# Altium PCB stencil V1.0.PcbDoc (part 3 of 5)
Units mm, origin at the board's own origin, x right, y up, seen from the top; angles counter-clockwise.
Board outline 220 x 90 mm, 2 copper layers (Top Layer, Bottom Layer); 265 components, 68 nets, 1316 pads, 556 vias.
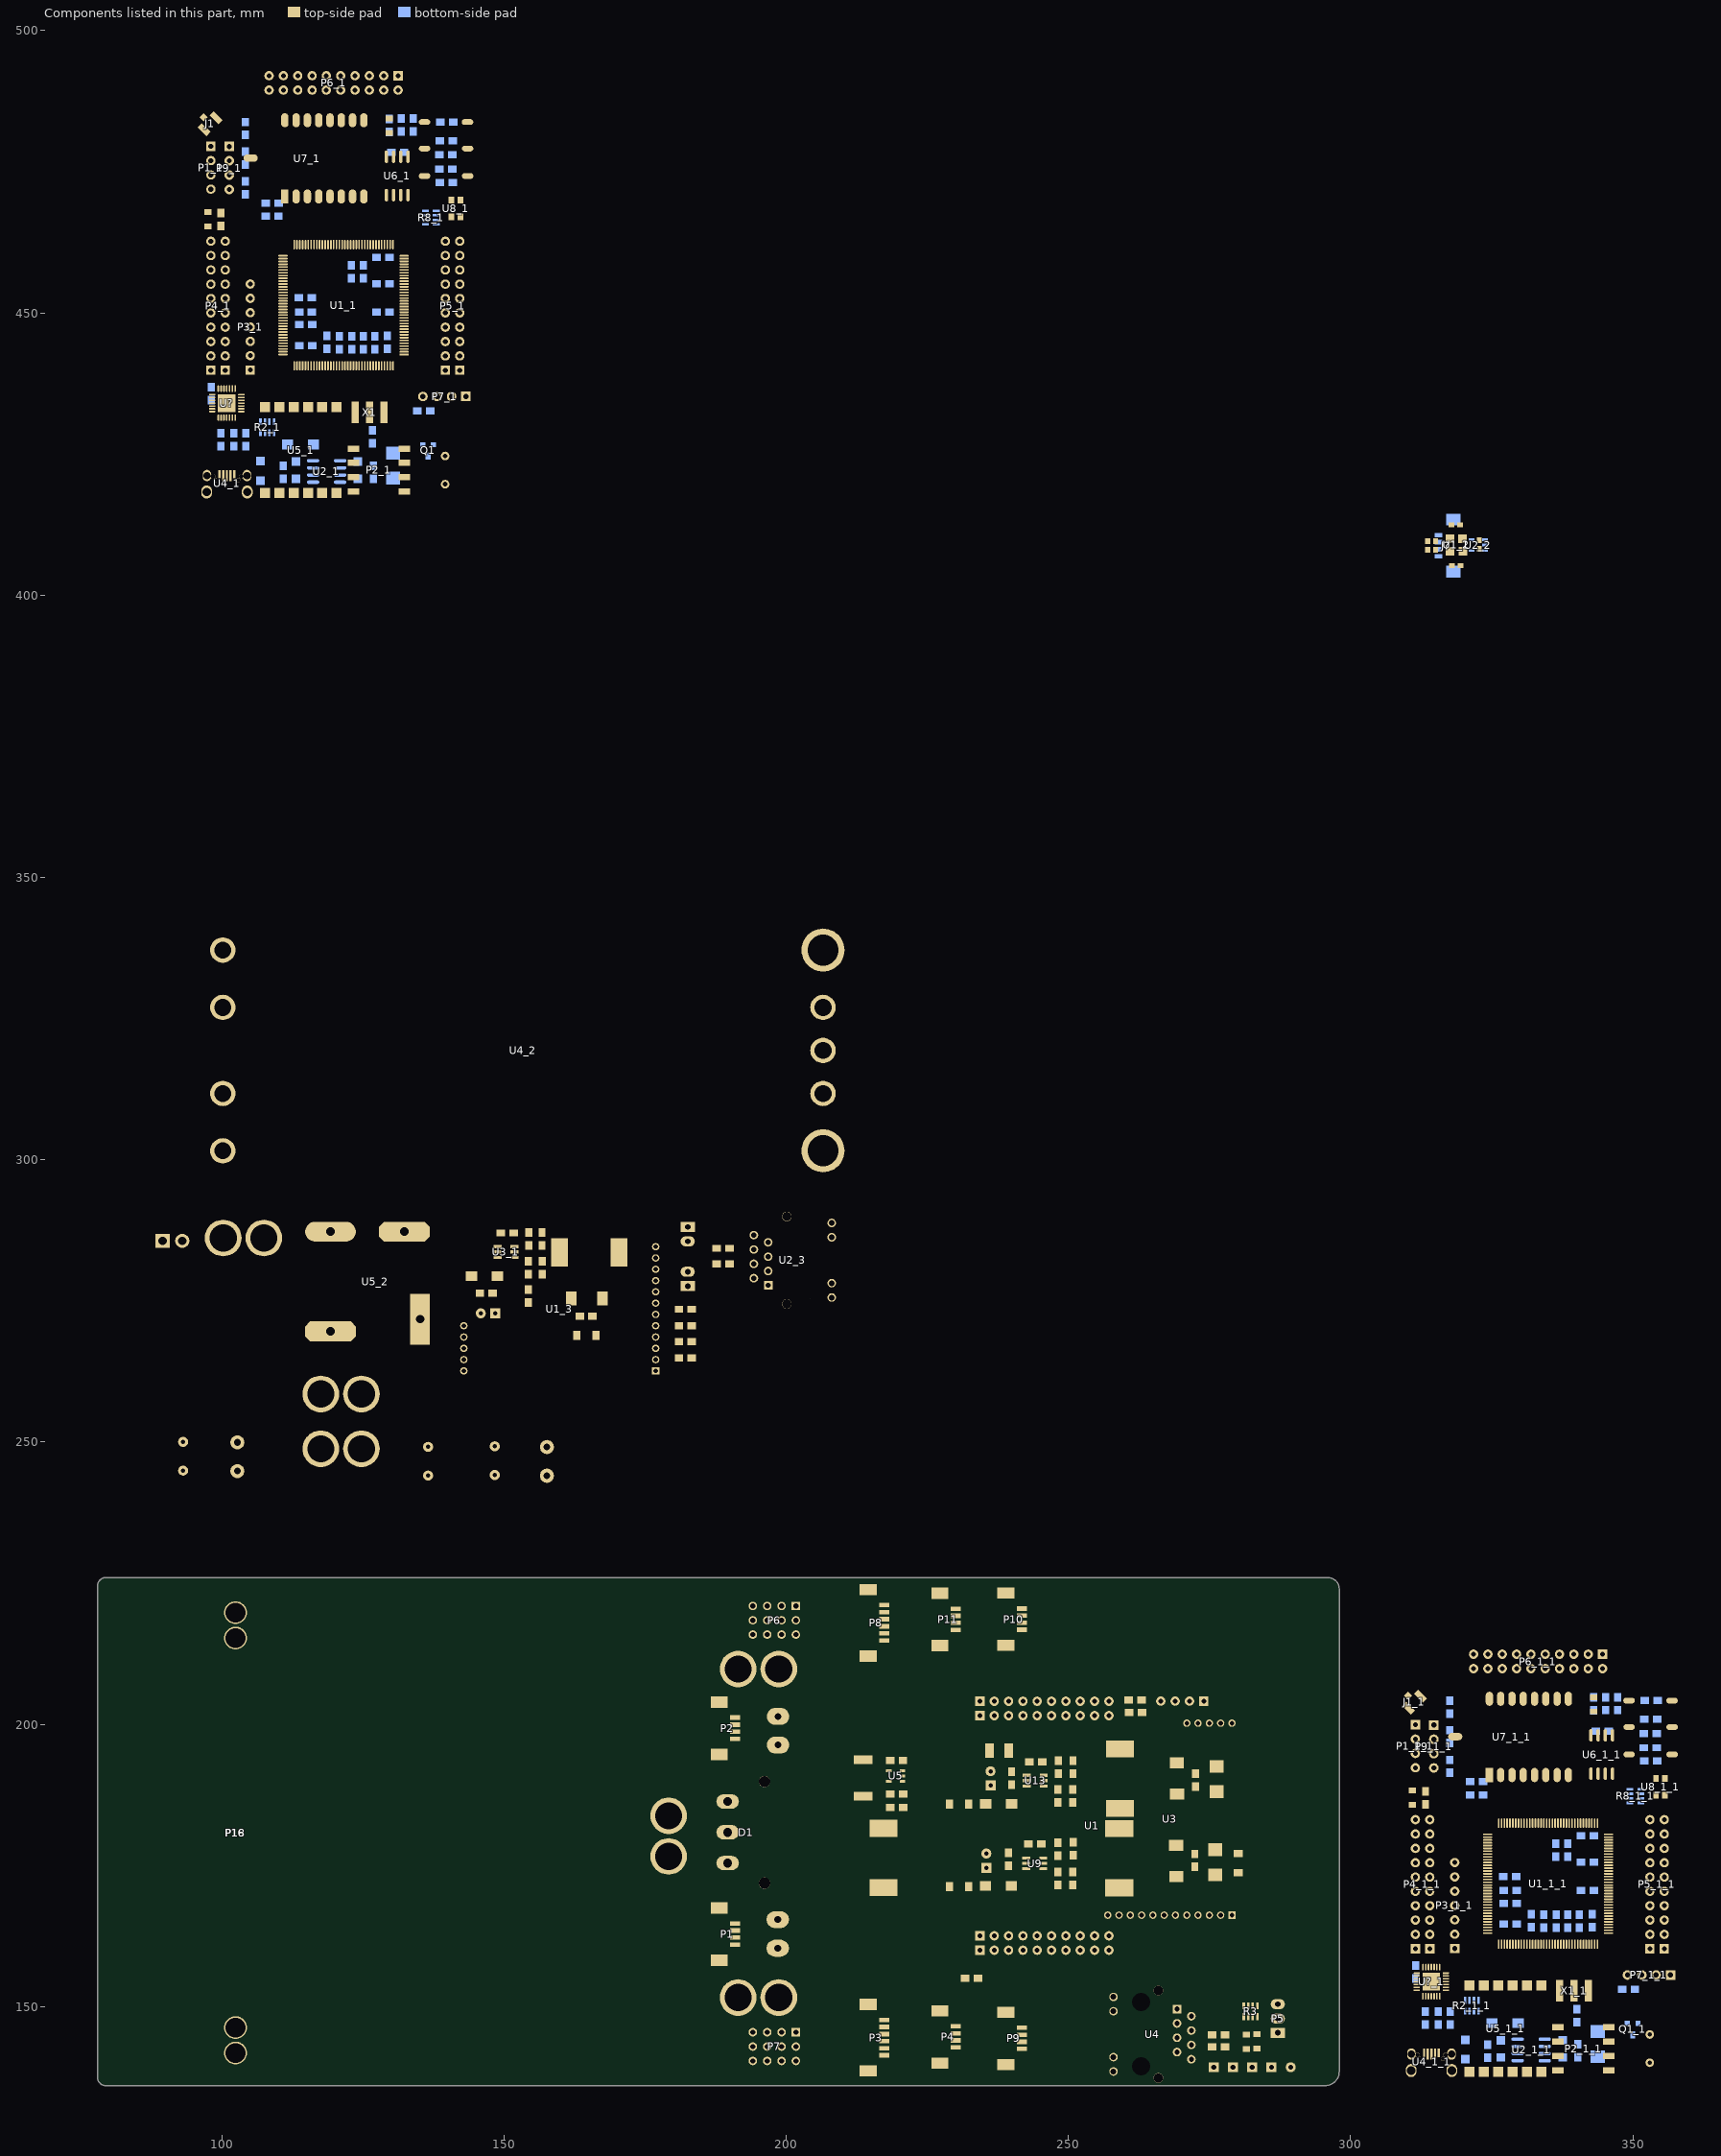
[diagram p3: the components of this part, seen from the top]

## Via types
v1: diameter 0.559, hole 0.305, Top Layer to Bottom Layer, 115 vias
v2: diameter 1.27, hole 0.711, Top Layer to Bottom Layer, 104 vias
v3: diameter 0.762, hole 0.406, Top Layer to Bottom Layer, 97 vias
v4: diameter 0.559, hole 0.356, Top Layer to Bottom Layer, 84 vias
v5: diameter 0.711, hole 0.406, Top Layer to Bottom Layer, 54 vias
v6: diameter 0.635, hole 0.406, Top Layer to Bottom Layer, 32 vias
v7: diameter 1.016, hole 0.559, Top Layer to Bottom Layer, 30 vias
v8: diameter 0.762, hole 0.381, Top Layer to Bottom Layer, 16 vias
v9: diameter 1.016, hole 0.635, Top Layer to Bottom Layer, 10 vias
v10: diameter 0.762, hole 0.457, Top Layer to Bottom Layer, 6 vias
v11: diameter 0.914, hole 0.559, Top Layer to Bottom Layer, 4 vias
v12: diameter 1.016, hole 0.457, Top Layer to Bottom Layer, 4 vias

## Nets (pads, with @x,y where several pads share a name; then routed paths per layer and width w, separated by ;. In a path a pad name is that pad's centre, name@x,y a point inside that pad or via, vN(x,y) a via of type N, cw(c..) or ccw(c..) an arc to the next point about the centre after c; other vN are vias at no path point) (continued)
copper on no net: | length 8899
  Top Layer w0.254: v7(97.546,426.429) 99.756,426.429 100.432,427.104 cw(c100.432,427.125) 100.412,427.125 100.412,432.511 cw(c100.912,432.511) 100.912,433.011 ; 98.088,474.45 99.451,473.087 99.451,470.371 100.315,469.507 101.483,469.507 v4(104.43,466.561) ; 98.09,447.479 cw(c98.09,446.194) 99.375,446.194 99.375,442.227 ccw(c100.366,442.227) 100.366,441.237 101.534,441.237 cw(c101.534,440.729) 102.042,440.729 102.042,439.129 ccw(c102.979,439.129) 102.979,438.192 107.483,438.192 ccw(c107.233,439.272) 108.341,439.272 108.341,445.91 109.561,447.13 110.879,447.13 ; 98.09,450.014 ccw(c99.323,450.014) 99.323,448.781 101.966,448.781 cw(c101.966,447.536) 103.211,447.536 103.211,442.075 ccw(c104.15,442.075) 104.15,441.135 106.583,441.135 ccw(c106.583,442.022) 107.47,442.022 107.47,446.284 109.316,448.13 110.879,448.13 ; 98.09,452.554 99.323,451.321 101.56,451.321 104.15,453.911 106.182,453.911 107.464,452.63 110.879,452.63 ; 98.09,455.089 99.344,453.835 101.28,453.835 104.575,457.13 110.879,457.13 ; 98.09,457.629 99.318,456.401 101.661,456.401 103.39,458.13 110.879,458.13 ; 98.09,460.179 99.354,458.915 101.153,458.915 102.042,459.804 102.042,460.97 106.756,465.684 107.891,465.684 107.904,465.697 122.564,465.697 123.861,464.401 123.861,462.112 123.854,462.105 ; 98.09,462.719 99.379,461.43 101.229,461.43 106.36,466.561 106.647,466.561 106.66,466.548 107.533,466.548 107.546,466.561 123.034,466.561 125.854,463.741 125.854,462.105 ; 98.232,476.99 98.232,476.846 99.883,475.195 99.883,470.701 100.633,469.951 101.953,469.951 104.277,467.627 v4@104.481,467.627 ; v6(98.258,430.34) 97.558,430.34 cw(c97.558,430.555) 97.343,430.555 97.343,433.183 cw(c97.688,433.183) 97.688,433.527 98.334,433.527 ; v6(98.308,429.4) 97.438,429.4 cw(c97.438,429.927) 96.911,429.927 96.911,433.363 cw(c97.572,433.363) 97.572,434.023 98.334,434.023 98.334,434.027 ; 100.282,421.313 v5(100.282,424.683) v5@100.282,424.734 ; 100.64,439.859 100.64,438.496 ccw(c101.379,438.496) 101.379,437.757 107.402,437.757 ccw(c107.402,439.154) 108.799,439.154 108.799,445.123 cw(c109.305,445.123) 109.305,445.63 110.879,445.63 110.924,445.585 112.401,445.585 v1(112.583,445.402) ; 100.64,447.479 102.005,447.479 cw(c102.005,446.705) 102.779,446.705 102.779,439.281 ccw(c103.436,439.281) 103.436,438.624 107.268,438.624 ccw(c107.198,439.332) 107.91,439.332 107.91,446.089 109.45,447.63 110.879,447.63 ; 100.64,450.014 ccw(c100.832,450.014) 100.832,449.822 102.652,449.822 cw(c102.652,448.831) 103.642,448.831 103.642,444.183 ccw(c104.15,444.183) 104.15,443.675 106.309,443.675 ccw(c106.309,444.336) 106.97,444.336 106.97,446.418 cw(c107.583,446.418) 107.03,446.683 cw(c107.583,446.418) 107.149,446.852 107.427,447.13 ccw(c106.446,448.111) 107.833,448.111 107.833,449.054 cw(c109.012,449.054) 108.179,449.887 cw(c108.938,448.819) 108.938,450.13 110.879,450.13 ; 100.64,452.554 104.716,456.63 110.879,456.63 ; 100.64,455.089 101.442,455.089 103.983,457.63 110.879,457.63 ; 100.64,457.629 102.641,459.63 110.704,459.63 ; 100.64,460.179 106.577,466.116 107.712,466.116 107.725,466.129 122.743,466.129 124.354,464.518 124.354,462.105 ; 100.64,462.719 101.858,462.719 106.107,466.968 106.157,466.968 106.181,466.992 106.826,466.992 106.839,466.98 107.355,466.98 107.367,466.992 123.212,466.992 126.354,463.851 126.354,462.105 ; 100.912,431.45 100.912,429.421 ; 100.932,421.314 100.932,424.399 100.943,424.41 100.943,429.39 cw(c100.943,429.421) 100.912,429.421 ; 100.932,424.862 ccw(c100.912,424.862) 100.912,424.883 100.912,429.421 ; 101.356,471.875 101.356,471.336 104.582,468.11 104.722,468.11 105.231,467.602 v6(107.097,467.602) ; 101.356,474.415 102.652,473.12 102.652,470.701 104.404,468.948 107.021,468.948 v6(107.046,468.974) ; 101.412,431.45 101.412,429.858 101.412,426.754 101.864,426.302 v5(101.864,424.727) v5@101.864,424.676 ; 101.912,431.45 101.912,430.445 ccw(c102.118,430.445) v5(102.118,430.239) ; 102.412,431.45 103.304,431.45 ccw(c103.304,431.483) 103.338,431.483 ; 103.489,433.027 103.489,433.033 104.382,433.033 cw(c104.382,432.705) 104.709,432.705 104.709,429.4 ccw(c106.411,429.4) 106.411,427.699 v5(107.656,427.699) ; 103.489,434.027 103.489,434.023 104.76,434.023 cw(c104.76,433.617) 105.166,433.617 105.166,429.578 ccw(c106.005,429.578) 105.767,428.774 ccw(c106.005,429.578) v4(106.005,428.74) ; 105.065,444.971 105.618,445.524 ccw(c105.488,445.654) 105.672,445.654 cw(c106.899,445.654) 106.031,446.521 106.462,446.952 ccw(c105.235,448.178) 106.97,448.178 106.97,448.4 cw(c109.4,448.4) 107.681,450.118 107.759,450.196 cw(c108.808,449.147) 108.808,450.63 110.879,450.63 ; 105.065,450.046 ccw(c105.065,452.302) 106.661,450.707 106.84,450.886 cw(c108.636,449.09) 108.636,451.63 110.879,451.63 ; 105.065,452.586 ccw(c106.165,453.686) 106.165,452.13 110.879,452.13 ; 105.065,455.121 106.091,455.121 107.09,454.122 v4(108.189,454.122) 108.697,454.63 110.879,454.63 111.981,454.63 ccw(c111.981,454.953) 112.304,454.953 112.304,459.322 cw(c112.736,459.322) 112.736,459.753 ccw(c112.736,460.371) 113.354,460.371 113.354,462.105 ; 105.142,447.509 ccw(c105.142,447.869) 105.397,447.614 ccw(c105.397,448.596) 106.091,447.902 106.157,447.968 ccw(c105.666,448.458) 106.36,448.458 106.36,448.857 cw(c108.322,448.857) 106.935,450.244 107.076,450.386 cw(c108.873,448.59) 108.873,451.13 110.879,451.13 ; v6@105.598,435.7 105.598,431.153 107.783,428.969 132.047,428.969 ccw(c132.047,429.951) 133.03,429.951 133.03,436.208 129.854,439.384 129.854,440.655 ; v6(105.649,436.817) v6(107.681,436.817) ; v6@106.259,434.861 106.259,431.178 107.986,429.451 131.913,429.451 ccw(c131.913,430.137) 132.598,430.137 132.598,435.877 129.354,439.122 129.354,440.655 ; v1(107.732,455.08) 108.875,455.08 109.425,455.63 110.879,455.63 ; v1@108.265,455.918 v1(108.316,455.918) 108.9,455.918 109.112,456.13 110.879,456.13 ; 108.402,489.472 108.402,486.007 110.094,484.315 110.094,481.318 110.983,480.429 110.983,478.295 114.539,474.739 v1(114.539,474.257) ; v1(108.595,458.788) 108.754,458.63 110.879,458.63 ; v1(108.595,461.277) 108.595,463.386 v1(109.256,464.046) ; v3@109.332,453.556 109.332,453.861 109.601,454.13 110.879,454.13 ; v4(109.459,440.576) 109.459,442.761 cw(c109.828,442.761) 109.828,443.13 110.879,443.13 ; v4(109.815,461.404) 109.815,460.693 110.378,460.13 110.879,460.13 ; v3(110.221,441.719) 110.221,442.431 110.42,442.63 110.879,442.63 ; v1(110.373,480.2) 110.373,478.294 113.853,474.815 113.853,473.901 v1(114.92,472.834) ; v4(110.551,462.09) 110.551,463.335 cw(c111.117,463.335) 111.117,463.9 113.837,463.9 cw(c113.837,463.384) 114.354,463.384 114.354,462.105 ; v4(110.704,461.15) 111.899,461.15 112.854,462.105 ; 110.879,443.63 112.919,443.63 115.443,446.154 115.443,460.348 v1@115.301,460.49 ; 110.879,444.13 112.808,444.13 115.011,446.333 115.011,459.534 v1@114.945,459.6 ; 110.879,446.13 114.073,446.13 114.579,446.637 114.579,458.842 114.558,458.863 114.558,458.906 v1(114.387,459.077) ; 110.879,446.63 113.328,446.63 114.148,447.449 114.148,458.214 v1(113.904,458.458) ; 110.879,449.13 112.132,449.13 cw(c112.132,448.806) 112.456,448.806 112.456,447.993 cw(c112.38,447.993) v3(112.38,447.917) ; 110.879,449.63 112.086,449.63 ccw(c112.086,450) 112.456,450 112.482,450.025 v4(112.482,451.397) ; 110.879,453.13 113.046,453.13 ccw(c113.046,453.778) 113.695,453.778 113.695,457.499 v1(113.396,457.798) ; 110.879,453.63 112.784,453.63 ccw(c112.784,454.089) 113.244,454.089 113.244,456.832 v1(112.964,457.112) ; 110.942,489.329 110.942,489.472 ; 110.942,492.022 112.202,490.762 112.202,488.633 111.389,487.82 v1(111.389,486.754) ; v1(111.313,481.14) 111.466,480.988 111.466,478.575 115.809,474.231 v1(119.416,474.231) ; v4(111.389,461.989) 111.389,462.979 cw(c111.77,462.979) 111.77,463.36 113.447,463.36 cw(c113.447,462.953) 113.854,462.953 113.854,462.105 ; v1(111.897,481.902) 111.897,478.88 115.834,474.943 v1(122.21,474.943) ; v6@112.532,437.884 111.593,438.824 111.593,441.643 115.875,445.925 115.875,462.084 115.854,462.105 ; v6(112.532,438.976) 112.405,438.976 112.024,439.357 112.024,441.464 116.354,445.794 116.354,462.105 ; 112.756,418.095 ccw(c112.756,418.354) 113.015,418.354 113.015,426.708 cw(c114.717,426.708) 114.717,428.41 132.308,428.41 ccw(c132.308,429.564) 133.462,429.564 133.462,436.868 130.354,439.976 130.354,440.655 ; 112.756,433.335 112.756,434.069 117.354,438.667 117.354,440.655 ; 112.854,440.655 112.854,441.66 116.785,445.591 116.785,460.044 v1(117.155,460.414) ; 113.354,440.655 113.354,441.549 117.217,445.413 117.217,459.358 117.562,459.703 v1(117.562,459.753) ; 113.482,488.872 113.482,489.167 112.228,487.913 112.228,482.74 112.482,482.487 112.482,479.033 115.785,475.73 v1(120.94,475.73) ; v1@113.675,480.759 113.752,480.683 v1(125.715,480.683) ; v1(113.802,479.87) v1(124.978,479.87) ; v1(114.056,486.728) 114.056,486.652 115.199,487.795 116.88,487.795 118.557,489.472 118.557,489.619 ; 114.354,440.655 114.354,441.938 117.649,445.234 117.649,458.749 v1(117.993,459.093) ; v1(114.844,459.703) v1@114.945,459.601 ; 114.854,440.655 114.854,441.828 118.081,445.055 118.081,458.19 118.4,458.509 v1@118.501,458.509 ; v1(115.072,479.057) v1(124.242,479.057) ; 115.296,418.095 113.828,419.563 113.828,426.626 cw(c115.053,426.626) 115.053,427.851 132.779,427.851 ccw(c132.779,428.966) 133.894,428.966 133.894,438.29 131.557,440.627 131.557,442.38 131.807,442.63 132.329,442.63 ; 115.296,433.335 115.296,435.923 117.854,438.481 117.854,440.655 ; 116.022,489.472 115.301,489.472 113.32,487.49 113.32,486.474 114.158,485.636 114.158,482.791 112.913,481.547 112.913,479.388 115.936,476.365 v1(120.229,476.365) ; v1(116.774,464.529) 116.774,464.376 117.354,463.797 117.354,462.105 ; v4(116.977,442.634) 119.896,442.634 cw(c119.896,442.176) 120.354,442.176 ; v1@117.638,464.224 v1@117.638,464.249 ; v1@117.638,464.452 v1@117.638,464.249 ; 117.836,433.335 118.019,433.518 v6(118.019,437.605) ; 117.854,462.105 117.854,464.033 v1@117.638,464.249 ; 118.354,462.105 118.354,463.949 118.578,464.173 v1@118.578,464.452 ; 118.552,457.239 118.933,457.62 v1@118.933,457.874 ; 118.589,457.239 118.589,449.092 120.602,447.079 126.444,447.079 129.393,444.13 132.329,444.13 ; v1(118.755,487.287) 120.94,489.472 121.097,489.472 ; v1(118.854,434.963) 118.854,440.655 ; 118.854,462.105 118.854,463.662 119.416,464.224 v1(119.416,464.452) ; 119.203,470.608 119.203,469.745 120.66,468.288 122.997,468.288 124.216,467.069 v1@124.216,466.84 ; 119.203,484.391 119.203,486.312 120.635,487.744 130.744,487.744 134.492,483.997 135.76,483.997 ; 119.354,440.655 119.354,435.813 ccw(c119.848,435.813) 119.848,435.319 121.493,435.319 cw(c121.493,434.902) 121.91,434.902 121.91,431.92 cw(c121.448,431.92) 121.448,431.458 v6(120.991,431.458) ; 119.354,462.105 119.354,459.968 ccw(c120.051,459.968) 120.051,459.271 122.921,459.271 cw(c122.921,459.169) v3(123.023,459.169) ; v1(119.568,457.137) 119.097,456.666 119.097,449.303 120.813,447.587 126.655,447.587 129.112,445.13 132.329,445.13 ; 119.854,440.655 119.854,436.43 ccw(c120.457,436.43) 120.457,435.827 121.437,435.827 cw(c121.437,434.902) 122.362,434.902 122.362,430.975 v5(121.854,430.467) ; 119.854,462.105 119.854,460.509 ccw(c120.279,460.509) 120.279,460.084 122.921,460.084 cw(c122.921,459.017) 123.988,459.017 v5(123.988,456.147) ; v1(120.354,446.01) 120.354,442.176 ; v5(120.635,424.981) 120.635,421.069 123.351,418.353 ; v4(120.711,438.417) 120.354,438.775 120.354,440.655 120.354,442.176 ; 120.854,440.655 120.854,442.802 v3(121.108,443.056) ; 121.203,470.608 121.203,469.447 121.803,468.847 123.353,468.847 125.258,466.942 v1@125.258,466.713 ; 121.354,440.655 121.354,437.546 ccw(c122.946,437.546) v4(122.946,435.954) ; v5(121.626,425.514) 121.626,422.619 ccw(c123.351,422.619) 123.351,420.893 ; 121.854,440.655 121.854,438.037 ccw(c123.073,438.037) v4@123.073,436.817 ; 122.354,440.655 122.354,438.388 ccw(c122.955,438.388) v4@122.955,437.787 ; v1(122.692,424.752) 122.692,424.092 123.351,423.433 ; 122.854,440.655 122.854,438.815 ccw(c122.946,438.815) v4(122.946,438.722) ; 122.854,462.105 122.854,463.572 v4(123.251,463.97) ; v1@123.351,426.53 123.351,425.973 cw(c124.62,425.973) 124.62,427.241 132.98,427.241 ccw(c132.98,428.587) 134.326,428.587 v4(134.326,443.574) ; v3(123.429,442.989) 126.858,442.989 cw(c126.858,442.494) 127.354,442.494 127.354,440.655 ; 123.664,432.414 ccw(c123.664,432.604) 123.854,432.604 123.854,440.655 ; 124.354,440.655 124.354,436.096 ccw(c125.207,436.096) 125.207,435.242 126.204,435.242 cw(c126.204,432.702) 128.744,432.702 128.744,432.414 ; 124.854,440.655 v4(124.854,442.149) ; v3(124.854,459.192) 124.854,462.105 ; 125.354,440.655 125.354,436.467 ccw(c125.944,436.467) 125.944,435.877 129.58,435.877 cw(c129.58,435.094) 130.363,435.094 v4@130.363,434.099 ; 125.354,462.105 125.354,460.572 v3(126.045,459.88) ; 125.854,440.655 125.854,437.11 v4(126.325,436.639) ; v5@126.204,432.414 cw(c126.204,432.37) 126.248,432.37 126.248,430.442 ccw(c126.731,430.442) 126.731,429.959 131.633,429.959 ccw(c131.633,430.467) 132.141,430.467 132.141,435.649 129.114,438.676 v4(127.854,438.676) 127.854,440.655 127.854,444.305 v1(126.274,445.885) ; 126.354,440.655 126.354,437.677 126.782,437.249 126.807,437.274 v4(126.807,437.376) ; v10(126.68,473.723) 126.68,467.856 126.121,467.297 126.121,464.935 126.854,464.203 126.854,462.105 ; v4(126.731,466.383) 126.731,465.01 127.354,464.388 127.354,462.105 ; 126.854,440.655 126.854,438.422 127.049,438.227 ; v4(127.417,453.835) 130.058,453.835 130.853,454.63 132.329,454.63 ; v4(127.442,448.781) 130.135,448.781 130.984,449.63 132.329,449.63 ; v4(127.493,465.697) 127.493,464.859 127.854,464.498 127.854,462.105 ; v4(128.23,465.087) cw(c128.23,464.963) 128.354,464.963 128.354,462.105 ; 128.354,440.655 v3@128.354,443.291 ; 128.854,440.655 v3@128.854,443.28 ; 128.854,462.105 128.854,465.247 ccw(c126.636,465.247) 128.204,466.815 cw(c129.308,467.918) 127.747,467.918 127.747,472.468 cw(c130.287,472.468) 127.899,473.335 cw(c130.287,472.468) 128.491,474.264 v5(129.627,475.4) ; 129.195,470.866 129.195,468.33 ccw(c131.015,468.33) 129.728,467.043 cw(c128.218,465.533) 130.354,465.533 130.354,462.105 ; 129.354,462.105 129.354,461.374 ccw(c129.754,461.374) 129.754,460.974 130.672,460.974 ccw(c130.672,461.479) 131.176,461.479 131.176,465.918 ccw(c129.442,465.918) 130.668,467.145 cw(c131.158,467.635) 130.465,467.635 130.465,470.866 ; 129.854,462.105 129.854,465.42 ccw(c128.385,465.42) 129.423,466.459 129.075,466.807 cw(c130.871,468.603) 128.331,468.603 128.331,472.011 cw(c130.871,472.011) 129.075,473.807 130.991,475.723 ccw(c129.195,477.519) 131.735,477.519 131.735,477.666 ; v3(130.157,450.13) 132.329,450.13 ; v3(130.211,459.271) 130.465,459.271 130.869,459.675 132.283,459.675 132.329,459.63 ; v4(130.693,443.447) 130.877,443.63 132.329,443.63 ; v4(131.227,469.151) 133.106,469.151 133.919,469.964 133.919,473.711 cw(c134.478,473.711) 134.478,474.269 135.299,474.269 ; v1(132.243,461.125) 133.106,461.125 133.818,460.414 133.818,459.347 cw(c133.6,459.347) 133.6,459.13 132.329,459.13 ; 132.329,443.13 133.576,443.13 133.792,442.913 133.792,441.415 133.513,441.135 v4(132.344,441.135) ; 132.329,444.63 133.731,444.63 139.115,450.014 139.228,450.014 ; 132.329,446.13 133.835,446.13 139,451.295 140.93,451.295 142.189,452.554 ; 132.329,446.63 133.724,446.63 139.406,452.311 139.406,452.554 ; 132.329,447.13 133.59,447.13 138.212,451.751 138.212,453.275 138.746,453.81 140.91,453.81 142.189,455.089 ; 132.329,447.63 133.48,447.63 137.78,451.93 137.78,453.454 139.415,455.089 139.639,455.089 ; 132.329,448.13 133.369,448.13 134.3,449.061 v4(134.3,450) ; 132.329,453.63 135.822,453.63 136.459,454.267 v4(136.459,454.292) ; 132.329,454.13 135.357,454.13 137.602,456.375 140.935,456.375 142.189,457.629 ; 132.329,455.13 v3(130.212,455.13) 129.602,455.13 cw(c129.602,455.461) 129.271,455.461 129.271,459.601 cw(c129.8,459.601) 129.8,460.13 132.329,460.13 ; 132.329,455.63 136.246,455.63 138.245,457.629 139.639,457.629 ; 132.329,456.13 136.087,456.13 138.872,458.915 140.925,458.915 142.189,460.179 ; 132.329,456.63 135.976,456.63 138.693,459.347 ; 132.329,457.13 135.865,457.13 138.186,459.451 138.186,460.793 138.311,460.918 138.311,460.919 138.872,461.481 140.95,461.481 142.189,462.719 ; 132.329,457.63 135.755,457.63 137.755,459.63 137.755,460.972 137.879,461.096 137.879,461.098 139.5,462.719 139.639,462.719 ; 132.329,458.13 135.644,458.13 137.323,459.808 137.323,461.151 137.447,461.275 137.447,461.277 138.161,461.991 138.161,463.589 139.126,464.554 142.657,464.554 144.003,465.9 v6(144.003,470.625) ; 132.329,458.63 133.811,458.63 ccw(c133.811,459.119) 134.3,459.119 134.3,460.542 132.955,461.887 v1(132.7,461.887) ; v1(133.64,465.748) 133.64,468.77 v1(133.665,468.796) ; 135.944,483.812 v6(138.054,483.812) ; 138.204,435.203 138.204,446.044 139.639,447.479 ; 138.694,459.347 139.526,460.179 139.639,460.179 ; 140.744,435.203 140.955,435.414 140.955,448.78 142.189,450.014 ; v7(310.946,146.829) 313.156,146.829 313.832,147.504 cw(c313.832,147.525) 313.812,147.525 313.812,152.911 cw(c314.312,152.911) 314.312,153.411 ; 311.488,194.85 312.851,193.487 312.851,190.771 313.715,189.907 314.883,189.907 v4(317.83,186.961) ; 311.49,167.879 cw(c311.49,166.594) 312.775,166.594 312.775,162.627 ccw(c313.766,162.627) 313.766,161.637 314.934,161.637 cw(c314.934,161.129) 315.442,161.129 315.442,159.529 ccw(c316.379,159.529) 316.379,158.592 320.883,158.592 ccw(c320.633,159.672) 321.741,159.672 321.741,166.31 322.961,167.53 324.279,167.53 ; 311.49,170.414 ccw(c312.723,170.414) 312.723,169.181 315.366,169.181 cw(c315.366,167.936) 316.611,167.936 316.611,162.475 ccw(c317.55,162.475) 317.55,161.535 319.983,161.535 ccw(c319.983,162.422) 320.87,162.422 320.87,166.684 322.716,168.53 324.279,168.53 ; 311.49,172.954 312.723,171.721 314.96,171.721 317.55,174.311 319.582,174.311 320.864,173.03 324.279,173.03 ; 311.49,175.489 312.744,174.235 314.68,174.235 317.975,177.53 324.279,177.53 ; 311.49,178.029 312.718,176.801 315.061,176.801 316.79,178.53 324.279,178.53 ; 311.49,180.579 312.754,179.315 314.553,179.315 315.442,180.204 315.442,181.37 320.156,186.084 321.291,186.084 321.304,186.097 335.964,186.097 337.261,184.801 337.261,182.512 337.254,182.505 ; 311.49,183.119 312.779,181.83 314.629,181.83 319.76,186.961 320.047,186.961 320.06,186.948 320.933,186.948 320.946,186.961 336.434,186.961 339.254,184.141 339.254,182.505 ; 311.632,197.39 311.632,197.246 313.283,195.595 313.283,191.101 314.033,190.351 315.353,190.351 317.677,188.027 v4@317.881,188.027 ; v6(311.658,150.74) 310.958,150.74 cw(c310.958,150.955) 310.743,150.955 310.743,153.583 cw(c311.088,153.583) 311.088,153.927 311.734,153.927 ; v6(311.708,149.8) 310.838,149.8 cw(c310.838,150.327) 310.311,150.327 310.311,153.763 cw(c310.972,153.763) 310.972,154.423 311.734,154.423 311.734,154.427 ; 313.671,409.568 313.92,409.817 v1(314.37,409.817) 314.819,409.817 315.068,409.568 315.517,410.017 317.635,410.017 317.862,410.244 317.862,412.489 ; 313.682,141.713 v5(313.682,145.083) v5@313.682,145.134 ; 314.04,160.259 314.04,158.896 ccw(c314.779,158.896) 314.779,158.157 320.802,158.157 ccw(c320.802,159.554) 322.199,159.554 322.199,165.523 cw(c322.705,165.523) 322.705,166.03 324.279,166.03 324.324,165.985 325.801,165.985 v1(325.983,165.802) ; 314.04,167.879 315.405,167.879 cw(c315.405,167.105) 316.179,167.105 316.179,159.681 ccw(c316.836,159.681) 316.836,159.024 320.668,159.024 ccw(c320.598,159.732) 321.31,159.732 321.31,166.489 322.85,168.03 324.279,168.03 ; 314.04,170.414 ccw(c314.232,170.414) 314.232,170.222 316.052,170.222 cw(c316.052,169.231) 317.042,169.231 317.042,164.583 ccw(c317.55,164.583) 317.55,164.075 319.709,164.075 ccw(c319.709,164.736) 320.37,164.736 320.37,166.818 cw(c320.983,166.818) 320.43,167.083 cw(c320.983,166.818) 320.549,167.252 320.827,167.53 ccw(c319.846,168.511) 321.233,168.511 321.233,169.454 cw(c322.412,169.454) 321.579,170.287 cw(c322.338,169.219) 322.338,170.53 324.279,170.53 ; 314.04,172.954 318.116,177.03 324.279,177.03 ; 314.04,175.489 314.842,175.489 317.383,178.03 324.279,178.03 ; 314.04,178.029 316.041,180.03 324.104,180.03 ; 314.04,180.579 319.977,186.516 321.112,186.516 321.125,186.529 336.143,186.529 337.754,184.918 337.754,182.505 ; 314.04,183.119 315.258,183.119 319.507,187.368 319.557,187.368 319.581,187.392 320.226,187.392 320.239,187.38 320.755,187.38 320.767,187.392 336.612,187.392 339.754,184.251 339.754,182.505 ; 314.312,151.85 314.312,149.821 ; 314.332,141.714 314.332,144.799 314.343,144.81 314.343,149.79 cw(c314.343,149.821) 314.312,149.821 ; 314.332,145.262 ccw(c314.312,145.262) 314.312,145.283 314.312,149.821 ; 314.756,192.275 314.756,191.736 317.982,188.51 318.122,188.51 318.631,188.002 v6(320.497,188.002) ; 314.756,194.815 316.052,193.52 316.052,191.101 317.804,189.348 320.421,189.348 v6(320.446,189.374) ; 314.812,151.85 314.812,150.258 314.812,147.154 315.264,146.702 v5(315.264,145.127) v5@315.264,145.076 ; 315.312,151.85 315.312,150.845 ccw(c315.518,150.845) v5(315.518,150.639) ; 315.812,151.85 316.704,151.85 ccw(c316.704,151.883) 316.738,151.883 ; v1(316.338,409.187) 316.338,408.933 318.805,408.933 319.921,407.817 319.921,405.658 319.513,405.25 ; 316.889,153.427 316.889,153.433 317.782,153.433 cw(c317.782,153.105) 318.109,153.105 318.109,149.8 ccw(c319.811,149.8) 319.811,148.099 v5(321.056,148.099) ; 316.889,154.427 316.889,154.423 318.16,154.423 cw(c318.16,154.017) 318.566,154.017 318.566,149.978 ccw(c319.405,149.978) 319.167,149.174 ccw(c319.405,149.978) v4(319.405,149.14) ; 318.465,165.371 319.018,165.924 ccw(c318.888,166.054) 319.072,166.054 cw(c320.299,166.054) 319.431,166.921 319.862,167.352 ccw(c318.635,168.578) 320.37,168.578 320.37,168.8 cw(c322.8,168.8) 321.081,170.518 321.159,170.596 cw(c322.208,169.547) 322.208,171.03 324.279,171.03 ; 318.465,170.446 ccw(c318.465,172.702) 320.061,171.107 320.24,171.286 cw(c322.036,169.49) 322.036,172.03 324.279,172.03 ; 318.465,172.986 ccw(c319.565,174.086) 319.565,172.53 324.279,172.53 ; 318.465,175.521 319.491,175.521 320.49,174.522 v4(321.589,174.522) 322.097,175.03 324.279,175.03 325.381,175.03 ccw(c325.381,175.353) 325.704,175.353 325.704,179.722 cw(c326.136,179.722) 326.136,180.153 ccw(c326.136,180.771) 326.754,180.771 326.754,182.505 ; 318.542,167.909 ccw(c318.542,168.269) 318.797,168.014 ccw(c318.797,168.996) 319.491,168.302 319.557,168.368 ccw(c319.066,168.858) 319.76,168.858 319.76,169.257 cw(c321.722,169.257) 320.335,170.644 320.476,170.786 cw(c322.273,168.99) 322.273,171.53 324.279,171.53 ; v6@318.998,156.1 318.998,151.553 321.183,149.369 345.447,149.369 ccw(c345.447,150.352) 346.43,150.352 346.43,156.608 343.254,159.784 343.254,161.055 ; v6(319.049,157.217) v6(321.081,157.217) ; 319.386,412.489 321.545,412.489 322.561,411.473 v1(322.561,411.092) ; v6@319.659,155.261 319.659,151.578 321.386,149.851 345.313,149.851 ccw(c345.313,150.537) 345.998,150.537 345.998,156.277 342.754,159.522 342.754,161.055 ; v1(320.783,410.965) 319.835,410.017 322.493,410.017 322.815,409.695 ; v1(321.132,175.48) 322.275,175.48 322.825,176.03 324.279,176.03 ; v1@321.665,176.318 v1(321.716,176.318) 322.3,176.318 322.512,176.53 324.279,176.53 ; 321.802,209.872 321.802,206.407 323.494,204.715 323.494,201.718 324.383,200.829 324.383,198.695 327.939,195.139 v1(327.939,194.657) ; v1(321.995,179.188) 322.154,179.03 324.279,179.03 ; v1(321.995,181.677) 321.995,183.786 v1(322.656,184.446) ; v3@322.732,173.956 322.732,174.261 323.001,174.53 324.279,174.53 ; v4(322.859,160.976) 322.859,163.161 cw(c323.228,163.161) 323.228,163.53 324.279,163.53 ; v4(323.215,181.804) 323.215,181.093 323.778,180.53 324.279,180.53 ; v3(323.621,162.119) 323.621,162.831 323.82,163.03 324.279,163.03 ; v1(323.773,200.6) 323.773,198.694 327.253,195.215 327.253,194.301 v1(328.32,193.234) ; v4(323.951,182.49) 323.951,183.735 cw(c324.517,183.735) 324.517,184.3 327.237,184.3 cw(c327.237,183.784) 327.754,183.784 327.754,182.505 ; v4(324.104,181.55) 325.299,181.55 326.254,182.505 ; 324.279,164.03 326.319,164.03 328.843,166.554 328.843,180.748 v1@328.701,180.89 ; 324.279,164.53 326.208,164.53 328.411,166.733 328.411,179.934 v1@328.345,180 ; 324.279,166.53 327.473,166.53 327.979,167.037 327.979,179.242 327.958,179.263 327.958,179.306 v1(327.787,179.477) ; 324.279,167.03 326.728,167.03 327.548,167.849 327.548,178.614 v1(327.304,178.858) ; 324.279,169.53 325.532,169.53 cw(c325.532,169.206) 325.856,169.206 325.856,168.393 cw(c325.78,168.393) v3(325.78,168.317) ; 324.279,170.03 325.486,170.03 ccw(c325.486,170.4) 325.856,170.4 325.882,170.425 v4(325.882,171.797) ; 324.279,173.53 326.446,173.53 ccw(c326.446,174.178) 327.095,174.178 327.095,177.899 v1(326.796,178.198) ; 324.279,174.03 326.184,174.03 ccw(c326.184,174.489) 326.644,174.489 326.644,177.232 v1(326.364,177.512) ; 324.342,209.729 324.342,209.872 ; 324.342,212.422 325.602,211.162 325.602,209.033 324.789,208.22 v1(324.789,207.154) ; v1(324.713,201.54) 324.866,201.388 324.866,198.975 329.209,194.631 v1(332.816,194.631) ; v4(324.789,182.389) 324.789,183.379 cw(c325.17,183.379) 325.17,183.76 326.847,183.76 cw(c326.847,183.353) 327.254,183.353 327.254,182.505 ; v1(325.297,202.302) 325.297,199.28 329.234,195.343 v1(335.61,195.343) ; v6@325.932,158.284 324.993,159.224 324.993,162.043 329.275,166.325 329.275,182.484 329.254,182.505 ; v6(325.932,159.376) 325.805,159.376 325.424,159.757 325.424,161.864 329.754,166.194 329.754,182.505 ; 326.156,138.495 ccw(c326.156,138.754) 326.415,138.754 326.415,147.108 cw(c328.117,147.108) 328.117,148.81 345.708,148.81 ccw(c345.708,149.964) 346.862,149.964 346.862,157.268 343.754,160.376 343.754,161.055 ; 326.156,153.735 326.156,154.469 330.754,159.067 330.754,161.055 ; 326.254,161.055 326.254,162.06 330.185,165.991 330.185,180.444 v1(330.555,180.814) ; 326.754,161.055 326.754,161.949 330.617,165.813 330.617,179.758 330.962,180.103 v1(330.962,180.153) ; 326.882,209.272 326.882,209.567 325.628,208.313 325.628,203.14 325.882,202.887 325.882,199.433 329.185,196.13 v1(334.34,196.13) ; v1@327.075,201.159 327.152,201.083 v1(339.115,201.083) ; v1(327.202,200.27) v1(338.378,200.27) ; v1(327.456,207.128) 327.456,207.052 328.599,208.195 330.28,208.195 331.957,209.872 331.957,210.019 ; 327.754,161.055 327.754,162.338 331.049,165.634 331.049,179.149 v1(331.393,179.493) ; v1(328.244,180.103) v1@328.345,180.001 ; 328.254,161.055 328.254,162.228 331.481,165.455 331.481,178.59 331.8,178.909 v1@331.901,178.909 ; v1(328.472,199.457) v1(337.642,199.457) ; 328.696,138.495 327.228,139.963 327.228,147.026 cw(c328.453,147.026) 328.453,148.251 346.179,148.251 ccw(c346.179,149.366) 347.294,149.366 347.294,158.69 344.957,161.027 344.957,162.78 345.207,163.03 345.729,163.03 ; 328.696,153.735 328.696,156.323 331.254,158.881 331.254,161.055 ; 329.422,209.872 328.701,209.872 326.72,207.89 326.72,206.874 327.558,206.036 327.558,203.191 326.313,201.947 326.313,199.788 329.336,196.765 v1(333.629,196.765) ; v1(330.174,184.929) 330.174,184.776 330.754,184.197 330.754,182.505 ; v4(330.377,163.034) 333.296,163.034 cw(c333.296,162.576) 333.754,162.576 ; v1@331.038,184.624 v1@331.038,184.649 ; v1@331.038,184.852 v1@331.038,184.649 ; 331.236,153.735 331.419,153.918 v6(331.419,158.005) ; 331.254,182.505 331.254,184.433 v1@331.038,184.649 ; 331.754,182.505 331.754,184.349 331.978,184.573 v1@331.978,184.852 ; 331.952,177.639 332.333,178.02 v1@332.333,178.274 ; 331.989,177.639 331.989,169.492 334.002,167.479 339.844,167.479 342.793,164.53 345.729,164.53 ; v1(332.155,207.687) 334.34,209.872 334.497,209.872 ; v1(332.254,155.363) 332.254,161.055 ; 332.254,182.505 332.254,184.062 332.816,184.624 v1(332.816,184.852) ; 332.603,191.008 332.603,190.145 334.06,188.688 336.397,188.688 337.616,187.469 v1@337.616,187.24 ; 332.603,204.791 332.603,206.712 334.035,208.144 344.144,208.144 347.892,204.397 349.16,204.397 ; 332.754,161.055 332.754,156.213 ccw(c333.248,156.213) 333.248,155.719 334.893,155.719 cw(c334.893,155.302) 335.31,155.302 335.31,152.32 cw(c334.848,152.32) 334.848,151.858 v6(334.391,151.858) ; 332.754,182.505 332.754,180.368 ccw(c333.451,180.368) 333.451,179.671 336.321,179.671 cw(c336.321,179.569) v3(336.423,179.569) ; v1(332.968,177.537) 332.497,177.066 332.497,169.703 334.213,167.987 340.055,167.987 342.512,165.53 345.729,165.53 ; 333.254,161.055 333.254,156.83 ccw(c333.857,156.83) 333.857,156.227 334.837,156.227 cw(c334.837,155.302) 335.762,155.302 335.762,151.375 v5(335.254,150.867) ; 333.254,182.505 333.254,180.909 ccw(c333.679,180.909) 333.679,180.484 336.321,180.484 cw(c336.321,179.417) 337.388,179.417 v5(337.388,176.547) ; v1(333.754,166.41) 333.754,162.576 ; v5(334.035,145.381) 334.035,141.469 336.751,138.753 ; v4(334.111,158.817) 333.754,159.175 333.754,161.055 333.754,162.576 ; 334.254,161.055 334.254,163.202 v3(334.508,163.456) ; 334.603,191.008 334.603,189.847 335.203,189.247 336.753,189.247 338.658,187.342 v1@338.658,187.113 ; 334.754,161.055 334.754,157.946 ccw(c336.346,157.946) v4(336.346,156.354) ; v5(335.026,145.914) 335.026,143.019 ccw(c336.751,143.019) 336.751,141.293 ; 335.254,161.055 335.254,158.437 ccw(c336.473,158.437) v4@336.473,157.217 ; 335.754,161.055 335.754,158.788 ccw(c336.355,158.788) v4@336.355,158.187 ; v1(336.092,145.152) 336.092,144.492 336.751,143.833 ; 336.254,161.055 336.254,159.215 ccw(c336.346,159.215) v4(336.346,159.122) ; 336.254,182.505 336.254,183.972 v4(336.651,184.37) ; v1@336.751,146.93 336.751,146.373 cw(c338.02,146.373) 338.02,147.641 346.38,147.641 ccw(c346.38,148.987) 347.726,148.987 v4(347.726,163.974) ; v3(336.829,163.389) 340.258,163.389 cw(c340.258,162.894) 340.754,162.894 340.754,161.055 ; 337.064,152.814 ccw(c337.064,153.004) 337.254,153.004 337.254,161.055 ; 337.754,161.055 337.754,156.496 ccw(c338.607,156.496) 338.607,155.642 339.604,155.642 cw(c339.604,153.102) 342.144,153.102 342.144,152.814 ; 338.254,161.055 v4(338.254,162.549) ; v3(338.254,179.592) 338.254,182.505 ; 338.754,161.055 338.754,156.867 ccw(c339.344,156.867) 339.344,156.277 342.98,156.277 cw(c342.98,155.494) 343.763,155.494 v4@343.763,154.499 ; 338.754,182.505 338.754,180.972 v3(339.445,180.28) ; 339.254,161.055 339.254,157.51 v4(339.725,157.039) ; v5@339.604,152.814 cw(c339.604,152.77) 339.648,152.77 339.648,150.842 ccw(c340.131,150.842) 340.131,150.359 345.033,150.359 ccw(c345.033,150.867) 345.541,150.867 345.541,156.049 342.514,159.076 v4(341.254,159.076) 341.254,161.055 341.254,164.705 v1(339.674,166.285) ; 339.754,161.055 339.754,158.077 340.182,157.649 340.207,157.674 v4(340.207,157.776) ; v10(340.08,194.123) 340.08,188.256 339.521,187.697 339.521,185.335 340.254,184.603 340.254,182.505 ; v4(340.131,186.783) 340.131,185.41 340.754,184.788 340.754,182.505 ; 340.254,161.055 340.254,158.822 340.449,158.627 ; v4(340.817,174.235) 343.458,174.235 344.253,175.03 345.729,175.03 ; v4(340.842,169.181) 343.535,169.181 344.384,170.03 345.729,170.03 ; v4(340.893,186.097) 340.893,185.259 341.254,184.898 341.254,182.505 ; v4(341.63,185.487) cw(c341.63,185.363) 341.754,185.363 341.754,182.505 ; 341.754,161.055 v3@341.754,163.691 ; 342.254,161.055 v3@342.254,163.68 ; 342.254,182.505 342.254,185.647 ccw(c340.036,185.647) 341.604,187.215 cw(c342.708,188.318) 341.147,188.318 341.147,192.868 cw(c343.687,192.868) 341.299,193.735 cw(c343.687,192.868) 341.891,194.664 v5(343.027,195.8) ; 342.595,191.266 342.595,188.73 ccw(c344.415,188.73) 343.128,187.443 cw(c341.618,185.933) 343.754,185.933 343.754,182.505 ; 342.754,182.505 342.754,181.774 ccw(c343.154,181.774) 343.154,181.374 344.072,181.374 ccw(c344.072,181.879) 344.576,181.879 344.576,186.318 ccw(c342.842,186.318) 344.068,187.545 cw(c344.558,188.035) 343.865,188.035 343.865,191.266 ; 343.254,182.505 343.254,185.82 ccw(c341.785,185.82) 342.823,186.859 342.475,187.207 cw(c344.271,189.003) 341.731,189.003 341.731,192.411 cw(c344.271,192.411) 342.475,194.207 344.391,196.123 ccw(c342.595,197.919) 345.135,197.919 345.135,198.066 ; v3(343.557,170.53) 345.729,170.53 ; v3(343.611,179.671) 343.865,179.671 344.269,180.075 345.683,180.075 345.729,180.03 ; v4(344.093,163.847) 344.277,164.03 345.729,164.03 ; v4(344.627,189.551) 346.506,189.551 347.319,190.364 347.319,194.111 cw(c347.878,194.111) 347.878,194.669 348.699,194.669 ; v1(345.643,181.525) 346.506,181.525 347.218,180.814 347.218,179.747 cw(c347,179.747) 347,179.53 345.729,179.53 ; 345.729,163.53 346.976,163.53 347.192,163.313 347.192,161.815 346.913,161.535 v4(345.744,161.535) ; 345.729,165.03 347.131,165.03 352.515,170.414 352.628,170.414 ; 345.729,166.53 347.235,166.53 352.4,171.695 354.33,171.695 355.589,172.954 ; 345.729,167.03 347.124,167.03 352.806,172.711 352.806,172.954 ; 345.729,167.53 346.99,167.53 351.612,172.151 351.612,173.675 352.146,174.21 354.31,174.21 355.589,175.489 ; 345.729,168.03 346.88,168.03 351.18,172.33 351.18,173.854 352.815,175.489 353.039,175.489 ; 345.729,168.53 346.769,168.53 347.7,169.461 v4(347.7,170.4) ; 345.729,174.03 349.222,174.03 349.859,174.667 v4(349.859,174.692) ; 345.729,174.53 348.757,174.53 351.002,176.775 354.335,176.775 355.589,178.029 ; 345.729,175.53 v3(343.612,175.53) 343.002,175.53 cw(c343.002,175.861) 342.671,175.861 342.671,180.001 cw(c343.2,180.001) 343.2,180.53 345.729,180.53 ; 345.729,176.03 349.646,176.03 351.645,178.029 353.039,178.029 ; 345.729,176.53 349.487,176.53 352.272,179.315 354.325,179.315 355.589,180.579 ; 345.729,177.03 349.376,177.03 352.093,179.747 ; 345.729,177.53 349.265,177.53 351.586,179.851 351.586,181.193 351.711,181.318 351.711,181.319 352.272,181.881 354.35,181.881 355.589,183.119 ; 345.729,178.03 349.155,178.03 351.155,180.03 351.155,181.372 351.279,181.496 351.279,181.498 352.9,183.119 353.039,183.119 ; 345.729,178.53 349.044,178.53 350.723,180.208 350.723,181.551 350.847,181.675 350.847,181.677 351.561,182.391 351.561,183.989 352.526,184.954 356.057,184.954 357.403,186.3 v6(357.403,191.025) ; 345.729,179.03 347.211,179.03 ccw(c347.211,179.519) 347.7,179.519 347.7,180.942 346.355,182.287 v1(346.1,182.287) ; v1(347.04,186.148) 347.04,189.17 v1(347.065,189.196) ; 349.344,204.212 v6(351.454,204.212) ; 351.604,155.603 351.604,166.444 353.039,167.879 ; 352.094,179.747 352.926,180.579 353.039,180.579 ; 354.144,155.603 354.355,155.814 354.355,169.18 355.589,170.414
  Top Layer w0.305: v3(102.232,418.161) 102.232,421.538 ; v3(315.632,138.561) 315.632,141.938
  Top Layer w0.381: v7@104.76,426.733 108.685,426.733 ccw(c108.685,427.025) 108.976,427.025 108.976,428.207 ccw(c108.735,428.207) 108.735,428.448 107.338,428.448 v4(106.005,429.781) ; 176.906,274.608 179.62,274.608 180.223,275.211 194.286,275.211 196.835,277.76 ; 176.906,276.608 179.996,276.608 180.758,275.846 191.111,275.846 194.295,279.03 ; 176.906,278.608 180.544,282.246 183.958,282.246 185.858,280.346 196.789,280.346 196.835,280.3 ; 177.558,280.608 180.996,284.046 183.531,284.046 186.702,287.217 191.188,287.217 194.295,284.11 ; v7@318.16,147.133 322.085,147.133 ccw(c322.085,147.425) 322.376,147.425 322.376,148.607 ccw(c322.135,148.607) 322.135,148.848 320.738,148.848 v4(319.405,150.181)
  Top Layer w0.508: 96.802,484.669 99.155,482.316 ccw(c100.951,484.112) 100.951,481.572 v3(102.906,481.572) ; v5@98.994,423.228 cw(c98.994,422.581) 99.632,422.691 cw(c98.994,422.581) 99.642,422.581 99.642,421.2 ; 99,484.593 cw(c99.815,484.593) 99.815,485.407 105.751,485.407 ccw(c105.751,486.576) 106.919,486.576 106.919,491.554 cw(c107.387,491.554) 107.387,492.022 108.402,492.022 ; 101.381,476.951 cw(c101.381,474.486) 103.846,474.486 v3(103.846,471.031) ; 102.232,421.538 102.232,422.961 cw(c102.576,422.961) 102.576,423.304 ccw(c102.576,423.863) 103.134,423.863 v7(103.134,424.701) ; v7(107.605,425.692) v7(110.297,423) v7@110.297,422.974 ; 117.203,483.978 117.203,484.108 ccw(c117.203,484.086) 117.181,484.086 117.181,482.512 ccw(c117.816,482.512) 117.816,481.877 126.909,481.877 128.103,481.877 ; v1(126.045,456.147) v3(126.045,459.88) ; v10@128.103,478.575 v10(128.103,478.676) 128.103,481.877 ; 129.703,481.877 128.103,481.877 ; 131.262,489.472 131.262,488.485 134.137,485.611 v4(135.418,485.611) ; 133.005,470.866 v4(133.005,474.536) v6(135.19,476.721) ; v4(134.097,479.083) cw(c134.135,479.083) 134.135,479.121 135.959,479.121 v5(138.555,479.121) ; 135.959,474.269 v5(138.58,474.269) ; v5(139.291,466.497) 140.208,466.497 140.322,466.611 ccw(c140.322,466.983) 140.694,466.983 ; v9(139.685,426.683) 141.59,426.683 ; v5(141.692,468.77) ccw(c141.692,469.372) 142.294,469.372 142.294,469.983 ; 142.294,466.983 142.294,467.881 v5(142.301,467.881) ; 190.017,283.746 190.923,282.84 196.835,282.84 ; 190.041,281.57 194.295,281.57 ; 310.202,205.069 312.555,202.716 ccw(c314.351,204.512) 314.351,201.972 v3(316.306,201.972) ; v5@312.394,143.628 cw(c312.394,142.981) 313.032,143.091 cw(c312.394,142.981) 313.042,142.981 313.042,141.6 ; 312.4,204.993 cw(c313.215,204.993) 313.215,205.807 319.151,205.807 ccw(c319.151,206.976) 320.319,206.976 320.319,211.954 cw(c320.787,211.954) 320.787,212.422 321.802,212.422 ; v1(313.036,408.044) 313.671,408.044 313.671,406.952 316.986,403.637 320.999,403.637 323.933,406.571 323.933,407.104 v1@323.755,407.282 ; 314.781,197.351 cw(c314.781,194.886) 317.246,194.886 v3(317.246,191.431) ; 315.068,408.044 317.408,408.044 317.635,407.817 317.635,405.604 317.989,405.25 317.989,405.175 318.816,404.348 320.542,404.348 322.79,406.596 322.79,408.222 ; 315.632,141.938 315.632,143.361 cw(c315.976,143.361) 315.976,143.704 ccw(c315.976,144.263) 316.534,144.263 v7(316.534,145.101) ; v7(321.005,146.092) v7(323.697,143.4) v7@323.697,143.374 ; 330.603,204.378 330.603,204.508 ccw(c330.603,204.486) 330.581,204.486 330.581,202.912 ccw(c331.216,202.912) 331.216,202.277 340.309,202.277 341.503,202.277 ; v1(339.445,176.547) v3(339.445,180.28) ; v10@341.503,198.975 v10(341.503,199.076) 341.503,202.277 ; 343.103,202.277 341.503,202.277 ; 344.662,209.872 344.662,208.885 347.537,206.011 v4(348.818,206.011) ; 346.405,191.266 v4(346.405,194.936) v6(348.59,197.121) ; v4(347.497,199.483) cw(c347.535,199.483) 347.535,199.521 349.359,199.521 v5(351.955,199.521) ; 349.359,194.669 v5(351.98,194.669) ; v5(352.691,186.897) 353.608,186.897 353.722,187.011 ccw(c353.722,187.383) 354.094,187.383 ; v9(353.085,147.083) 354.99,147.083 ; v5(355.092,189.17) ccw(c355.092,189.772) 355.694,189.772 355.694,190.383 ; 355.694,187.383 355.694,188.281 v5(355.701,188.281)
  Top Layer w0.635: 145.757,275.685 ccw(c145.757,276.066) 146.138,276.066 146.138,283.967 cw(c146.799,283.967) 146.799,284.628 148.882,284.628 ; 148.882,283.678 149.99,283.678 ; 151.882,283.678 154.258,283.678 ; 154.388,284.869 154.388,283.808 154.258,283.678 ; 156.761,284.869 155.569,283.678 154.258,283.678
  Top Layer w0.762: v4(96.15,467.881) 97.548,467.881 ; 96.879,482.471 ccw(c96.879,481.615) 96.022,481.615 96.022,472.784 ccw(c96.886,472.784) 96.886,471.92 98.088,471.92 98.088,471.91 ; 97.548,465.341 99.799,465.341 99.888,465.431 ; 99,484.593 99.143,484.45 ccw(c100.939,486.246) 100.939,483.706 v9(102.626,483.706) ; 99.888,467.717 100.105,467.5 v7(101.966,467.5) v7(101.966,464.656) ; v5(103.338,428.689) 103.338,431.483 103.338,432.245 ; v3(109.662,486.169) 111.203,484.629 111.203,484.108 ; v7(114.844,420.663) 116.901,420.663 cw(c116.901,419.931) 117.633,419.931 117.633,418.07 ; v3(121.575,448.806) v3(121.575,451.448) ; v5(128.484,475.949) cw(c130.912,475.949) 129.195,477.666 ; v10(129.246,486.017) 129.703,485.56 129.703,484.417 ; 130.49,480.048 130.526,480.048 132.159,481.681 ; v9(130.49,486.627) 132.497,484.62 132.497,482.019 132.159,481.681 ; 135.664,435.203 ccw(c137.733,435.203) 137.733,433.134 141.285,433.134 cw(c141.285,431.135) 143.284,431.135 143.284,418.131 cw(c142.539,418.131) 142.539,417.386 v11(141.725,417.386) ; 140.694,469.983 ccw(c140.694,470.244) 140.955,470.244 v11(140.955,476.848) 140.955,479.769 ccw(c139.177,479.769) 139.177,481.547 132.294,481.547 cw(c132.294,481.681) 132.159,481.681 ; v5(141.971,480.429) 143.401,480.429 cw(c143.401,480.251) 143.579,480.251 ; 143.579,474.269 143.579,479.121 143.579,480.251 ; 143.579,483.798 143.579,480.251 ; 149.466,287.041 149.466,286.738 150.458,285.746 150.458,284.146 cw(c149.99,284.146) 149.99,283.678 ; 151.752,284.757 151.752,287.041 ; 152.011,282.598 152.658,281.951 156.738,281.951 156.786,281.999 ; 154.373,274.735 157.873,274.735 cw(c157.873,272.195) 160.413,272.195 160.413,268.522 ccw(c162.318,268.522) 162.318,266.617 174.129,266.617 cw(c174.129,265.601) 175.145,265.601 175.145,263.341 ccw(c175.878,263.341) 175.878,262.608 176.906,262.608 ; 176.906,266.608 178.064,267.765 181.025,267.765 181.025,264.921 ; 176.906,272.608 180.101,272.608 181.025,273.531 181.025,270.636 ; 183.311,264.921 197.396,264.921 208.085,275.61 ; 183.311,267.765 v2@186.936,267.765 ; 183.311,270.636 193.159,270.636 205.6,283.076 205.6,286.324 208.085,288.81 ; 183.311,273.531 v2(186.784,273.531) ; 187.667,284.321 v2(187.667,285.972) ; 187.731,281.546 187.731,283.746 ; 190.017,281.546 190.041,281.546 ; 194.295,286.65 197.605,289.96 200.137,289.96 ; 208.085,278.146 208.085,286.274 ; v4(309.55,188.281) 310.948,188.281 ; 310.279,202.871 ccw(c310.279,202.015) 309.422,202.015 309.422,193.184 ccw(c310.286,193.184) 310.286,192.32 311.488,192.32 311.488,192.31 ; 310.948,185.741 313.199,185.741 313.288,185.831 ; 312.4,204.993 312.543,204.85 ccw(c314.339,206.646) 314.339,204.106 v9(316.026,204.106) ; 313.288,188.117 313.505,187.9 v7(315.366,187.9) v7(315.366,185.056) ; v5(316.738,149.089) 316.738,151.883 316.738,152.645 ; v3(323.062,206.569) 324.603,205.029 324.603,204.508 ; v7(328.244,141.063) 330.301,141.063 cw(c330.301,140.331) 331.033,140.331 331.033,138.47 ; v3(334.975,169.206) v3(334.975,171.848) ; v5(341.884,196.349) cw(c344.312,196.349) 342.595,198.066 ; v10(342.646,206.417) 343.103,205.96 343.103,204.817 ; 343.89,200.448 343.926,200.448 345.559,202.081 ; v9(343.89,207.027) 345.897,205.02 345.897,202.419 345.559,202.081 ; 349.064,155.603 ccw(c351.133,155.603) 351.133,153.534 354.685,153.534 cw(c354.685,151.535) 356.684,151.535 356.684,138.531 cw(c355.939,138.531) 355.939,137.786 v11(355.125,137.786) ; 354.094,190.383 ccw(c354.094,190.644) 354.355,190.644 v11(354.355,197.248) 354.355,200.169 ccw(c352.577,200.169) 352.577,201.947 345.694,201.947 cw(c345.694,202.081) 345.559,202.081 ; v5(355.371,200.829) 356.801,200.829 cw(c356.801,200.651) 356.979,200.651 ; 356.979,194.669 356.979,199.521 356.979,200.651 ; 356.979,204.198 356.979,200.651
  Top Layer w1.016: 98.09,442.399 96.956,442.399 ccw(c96.956,441.516) 96.073,441.516 96.073,423.993 ccw(c96.838,423.993) 96.838,423.228 v5(97.572,423.228) v5(98.258,423.228) v5(98.969,423.228) v5@98.994,423.228 ; v5@99.02,423.228 v5@99.299,423.228 ; 132.351,418.353 132.351,420.893 132.351,422.034 ; 132.351,425.973 132.351,423.433 132.351,422.034 ; v8(138.186,431.661) 140.599,431.661 cw(c140.599,430.594) 141.666,430.594 141.666,424.549 cw(c139.152,424.549) 139.152,422.034 132.351,422.034 ; 311.49,162.799 310.356,162.799 ccw(c310.356,161.916) 309.473,161.916 309.473,144.393 ccw(c310.238,144.393) 310.238,143.628 v5(310.972,143.628) v5(311.658,143.628) v5(312.369,143.628) v5@312.394,143.628 ; v5@312.42,143.628 v5@312.699,143.628 ; 345.751,138.753 345.751,141.293 345.751,142.434 ; 345.751,146.373 345.751,143.833 345.751,142.434 ; v8(351.586,152.061) 353.999,152.061 cw(c353.999,150.994) 355.066,150.994 355.066,144.949 cw(c352.552,144.949) 352.552,142.434 345.751,142.434
  Top Layer w1.27: 142.906,262.608 142.411,262.608 cw(c142.411,263.86) 141.158,263.86 141.158,277.611 cw(c142.942,277.611) 142.942,279.395 144.259,279.395 144.589,279.725 144.589,290.874 cw(c147.129,290.874) 147.129,293.414 196.354,293.414 ccw(c196.354,295.954) 198.894,295.954 198.894,324.526 cw(c201.434,324.526) 201.434,327.066 205.758,327.066 ; 142.906,270.608 145.859,270.608 ; 145.757,275.685 145.757,270.709 ccw(c145.859,270.709) 145.859,270.608 ; 149.466,287.041 149.466,289.753 cw(c151.058,289.753) 151.058,291.346 158.367,291.346 cw(c158.367,289.864) 159.849,289.864 159.849,283.586 ; 154.363,279.713 154.363,277.021 ; 154.388,287.155 v2(154.388,288.946) v2@154.388,289.015 ; 156.761,287.155 158.325,287.155 v2(158.325,287.146) ; 156.786,279.713 167.282,279.713 cw(c167.282,279.546) 167.449,279.546 ; v2(161.81,269.03) 161.946,268.895 162.933,268.895 165.583,271.546 165.583,272.17 ; 163.436,272.309 163.436,273.941 ccw(c161.944,273.941) 161.944,275.433 ccw(c160.356,275.433) 160.356,277.021 154.373,277.021 ccw(c154.373,274.526) 154.363,277.021 ; 165.722,272.309 167.449,274.036 167.449,275.458 167.449,279.546 ; 166.362,268.895 169.858,272.391 169.858,275.736 176.729,282.608 ; 170.376,283.586 167.449,280.66 167.449,279.546 ; 145.859,270.608 150.129,270.608 ccw(c150.129,272.358) 151.879,272.358 151.879,276.072 cw(c152.821,276.072) 152.817,277.014 154.363,277.021
  Top Layer w2.032: 89.535,285.647 89.535,292.728 cw(c92.075,292.728) 92.075,295.268 92.113,295.268
  Top Layer w3.81: 93.185,244.946 115.03,244.946 ccw(c115.03,247.486) 117.57,247.486 117.57,248.814 ; 93.185,250.026 106.718,250.026 ccw(c106.718,252.566) 109.258,252.566 109.258,255.976 cw(c111.798,255.976) 111.798,258.516 117.57,258.516
  Top Layer w5.08: 99.713,337.226 136.423,337.226 cw(c136.423,333.123) 140.525,333.123 140.525,283.838 135.166,278.479 135.166,271.775 135.166,267.038 137.258,264.946 137.258,251.146 ; 119.291,287.269 119.291,281.013 128.739,271.564 128.739,264.264 131.358,261.646 131.358,246.606 ccw(c133.898,246.606) 133.898,244.066 136.585,244.066 ; 124.77,248.814 124.77,258.516 ; 136.585,244.046 157.634,244.046
  Top Layer w6.35: 100.407,300.972 107.05,294.329 116.751,294.329 cw(c116.751,291.789) 119.291,291.789 119.291,287.269
  Top Layer w7.62: 99.821,287.559 92.113,295.268 92.113,316.579 cw(c94.653,316.579) 94.653,319.119 v2@114.719,319.119 ; 206.774,301.666 206.774,311.826 ; 206.774,327.066 206.774,337.226